# KiCad board kim-1.kicad_pcb (continued)
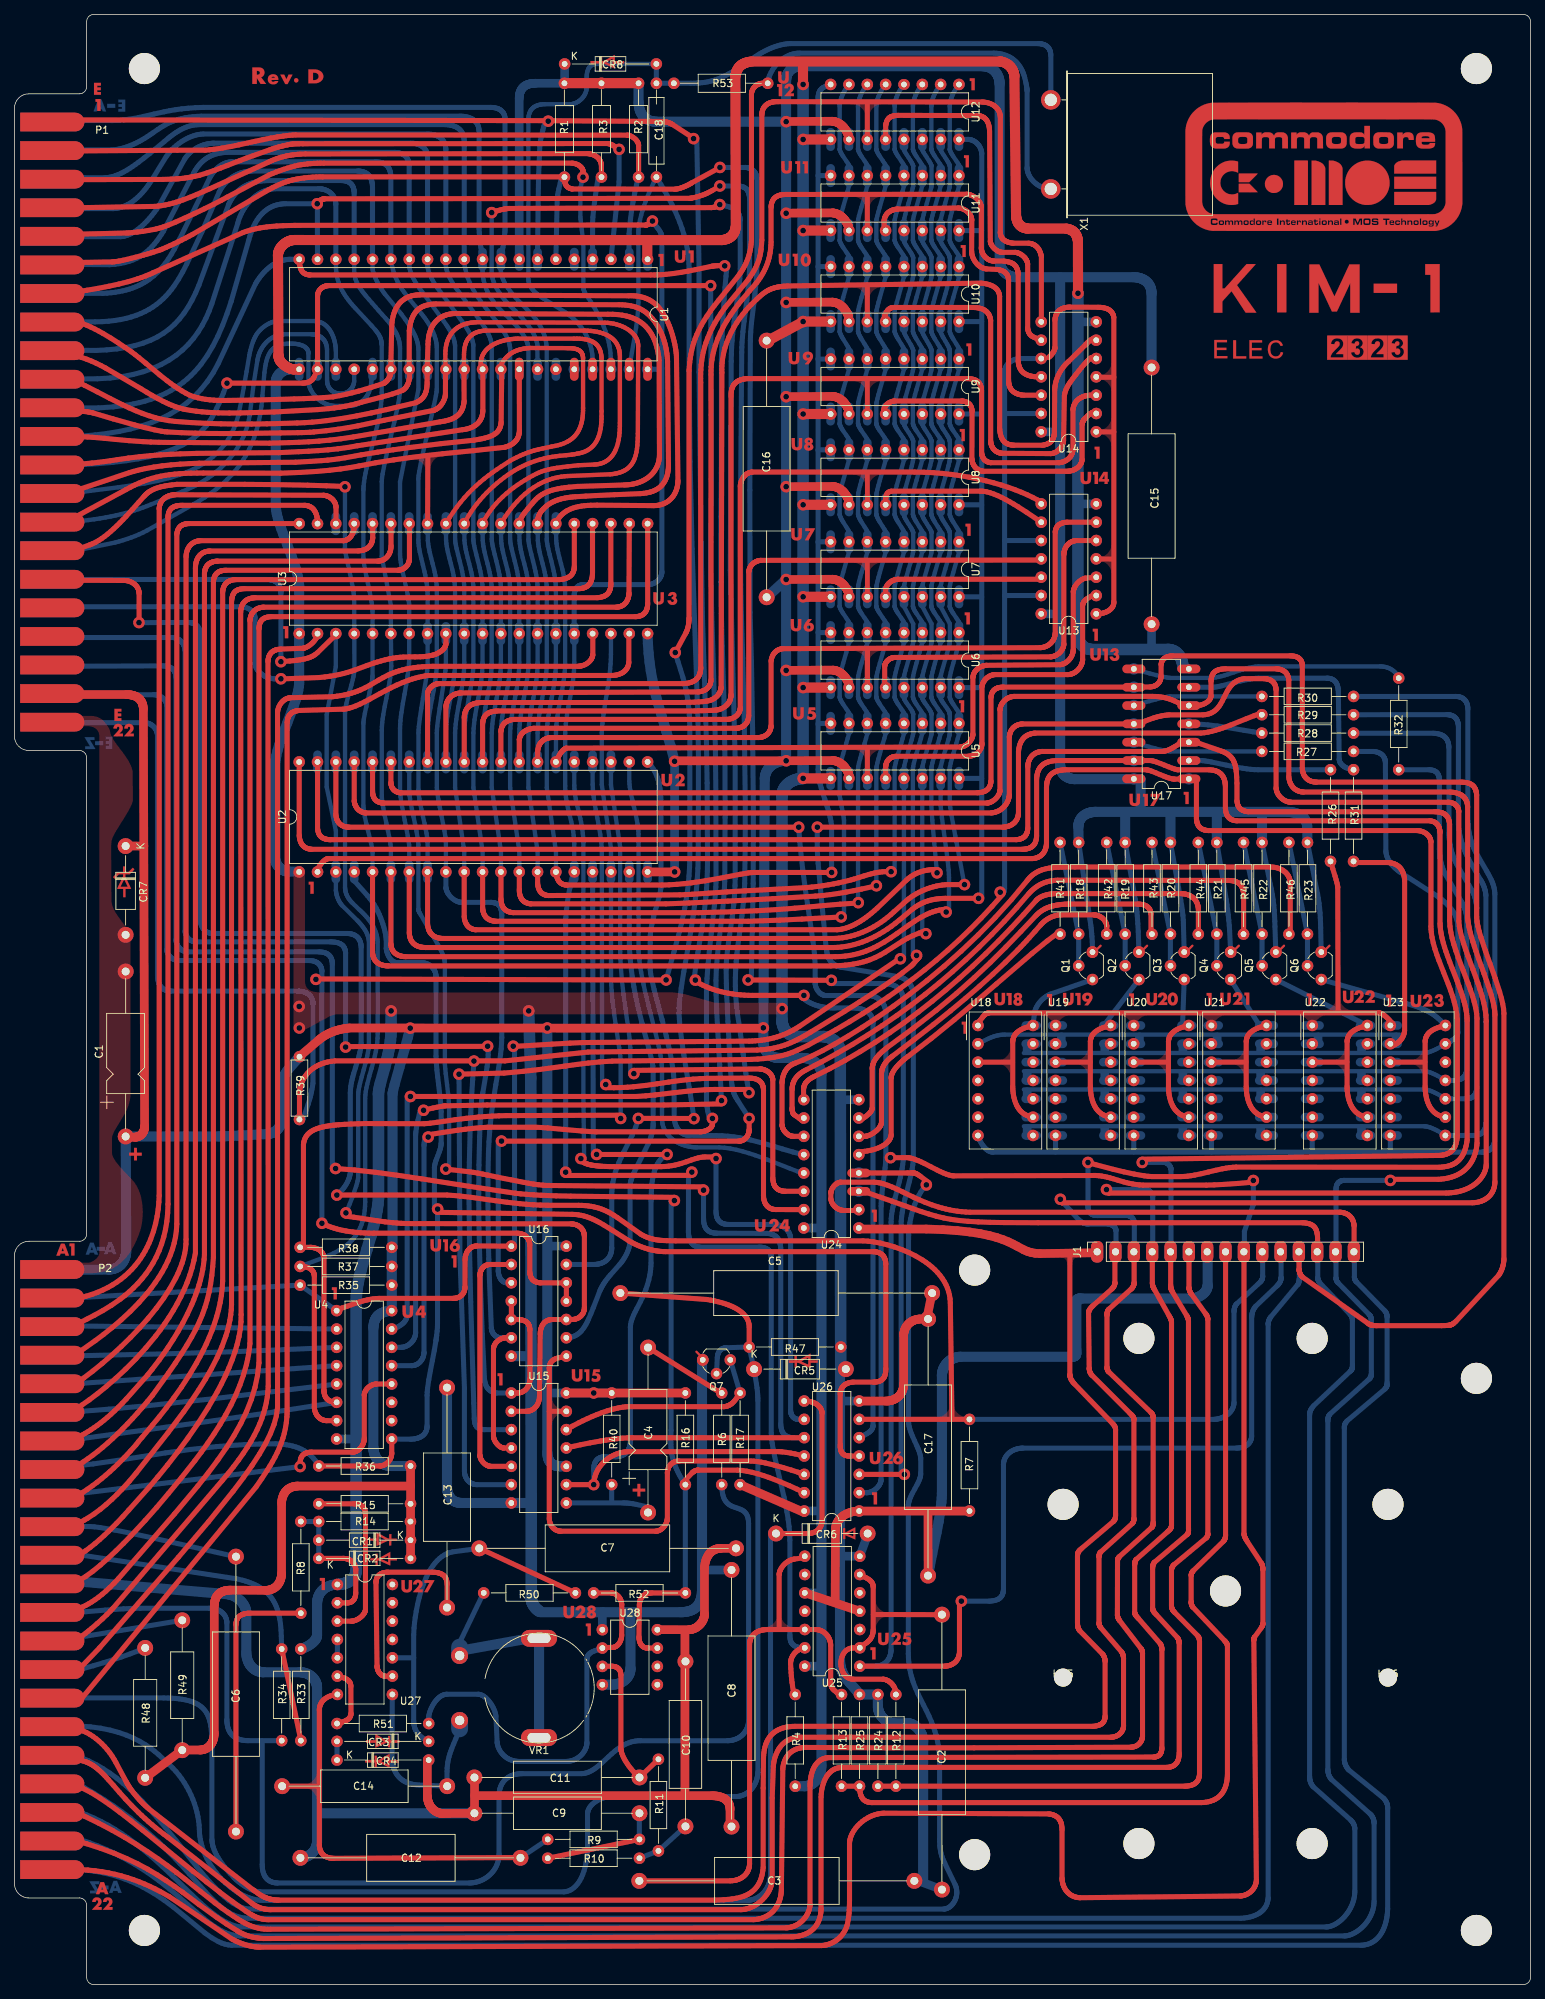
[diagram p0: board, top side]
## Routing (per net, layer and track width the routed paths; a pad name or vN(x,y) marks a point on that pad's centre or on a via; arc(x,y) is an arc through that point) (continued)
  Bottom w0.6: 64.84,169.47 64.84,173.44 64.86,174 64.9,174.57 64.96,175.16 65.04,175.75 65.24,176.95 65.46,178.16 65.69,179.39 65.89,180.6 65.97,181.2 66.03,181.8 66.08,182.38 66.1,182.96 66.1,193.46 66.08,193.94 66.03,194.4 65.98,194.84 65.9,195.27 65.82,195.69 65.72,196.1 65.52,196.9 65.31,197.68 65.12,198.47 65.04,198.87 64.97,199.28 64.91,199.69 64.86,200.11 64.83,202.41
/D4: length 279.3
  Top w0.6: 67.39,202.47 67.67,202.93 67.99,203.43 68.35,203.94 68.74,204.47 69.18,205 69.65,205.53 70.16,206.05 70.71,206.55 71.31,207.03 71.94,207.48 72.61,207.88 72.97,208.07 73.33,208.24 73.7,208.4 74.09,208.54 74.48,208.67 74.89,208.78 75.31,208.87 75.73,208.95 76.17,209 76.62,209.03 82.52,209.28 82.84,209.31 83.14,209.35 83.42,209.41 83.69,209.47 83.94,209.55 84.17,209.64 84.39,209.74 84.59,209.85 84.78,209.97 84.95,210.1 85.11,210.24 85.26,210.39 85.4,210.55 85.52,210.72 85.63,210.89 85.73,211.08 85.83,211.27 85.91,211.47 86.05,211.89 86.15,212.34 86.23,212.81 86.28,213.3 86.32,213.82 86.34,214.35 86.35,214.9 86.4,226.98 86.4,227.17 86.38,227.35 86.35,227.53 86.31,227.71 86.25,227.88 86.18,228.04 86.1,228.2 86.01,228.35 85.9,228.5 85.79,228.65 85.67,228.78 85.53,228.92 85.39,229.04 85.24,229.16 84.92,229.39 84.57,229.59 84.2,229.77 83.82,229.92 83.42,230.05 83.01,230.15 82.6,230.22 82.18,230.26 81.78,230.28 63.95,230.35 63.68,230.33 63.42,230.31 63.17,230.27 62.93,230.23 62.7,230.18 62.47,230.12 62.26,230.05 62.05,229.97 61.86,229.88 61.67,229.78 61.49,229.68 61.32,229.57 61.16,229.45 61,229.32 60.86,229.18 60.72,229.04 60.6,228.89 60.48,228.74 60.37,228.57 60.27,228.41 60.17,228.23 60.09,228.05 60.01,227.86 59.94,227.67 59.88,227.47 59.83,227.26 59.78,227.05 59.75,226.84 59.7,226.4 59.68,225.93 59.7,223.9
  Top w0.665: 118.14,205.06 118.14,209.55
  Top w0.7: 142.24,205.16 141.72,205.71 141.04,206.08 140.29,206.44 139.47,206.79 138.59,207.14 137.65,207.47 136.66,207.79 135.62,208.1 134.54,208.38 133.41,208.64 132.24,208.87 131.04,209.08 129.82,209.25 128.56,209.4 127.29,209.5 125.99,209.56 124.69,209.58 102.2,209.58 102.11,209.58 102.03,209.57 101.94,209.55 101.86,209.53 101.78,209.5 101.7,209.47 101.62,209.44 101.54,209.4 101.47,209.35 101.4,209.3 101.33,209.25 101.26,209.2 101.2,209.14 101.14,209.08 101.08,209.01 101.02,208.95 100.92,208.8 100.83,208.65 100.75,208.49 100.68,208.33 100.62,208.15 100.58,207.98 100.55,207.8 100.53,207.62 100.53,176.88 100.53,176.8 100.51,176.72 100.5,176.64 100.48,176.56 100.45,176.48 100.42,176.4 100.39,176.33 100.35,176.26 100.32,176.19 100.27,176.12 100.23,176.06 100.18,175.99 100.12,175.93 100.07,175.87 100.01,175.82 99.95,175.77 99.88,175.72 99.81,175.67 99.74,175.62 99.67,175.58 99.52,175.5 99.36,175.44 99.2,175.39 99.02,175.35 98.84,175.32 98.75,175.31 98.66,175.31 69.26,175.31 69.07,175.3 68.89,175.27 68.72,175.23 68.63,175.21 68.55,175.19 68.47,175.16 68.39,175.13 68.32,175.09 68.24,175.05 68.17,175.01 68.1,174.97 68.04,174.92 67.97,174.87 67.91,174.82 67.85,174.77 67.8,174.71 67.75,174.64 67.7,174.58 67.65,174.51 67.61,174.44 67.57,174.36 67.53,174.28 67.5,174.2 67.47,174.11 67.44,174.02 67.42,173.93 67.4,173.83 67.39,173.73 67.38,173.62 67.38,169.42 ; 7.7,218.16 8.13,218.12 8.56,218.08 9.39,218.01 9.8,217.97 10.2,217.91 10.4,217.88 10.59,217.84 10.79,217.8 10.98,217.75 13.63,216.96 16.63,216.12 18.07,215.75 19.35,215.44 20.41,215.24 20.83,215.17 21.16,215.15 23.12,215.04 25.07,214.97 27.03,214.94 28.99,214.93 32.93,214.95 36.91,215.01 39.24,215.04 39.81,215.05 40.38,215.07 40.93,215.1 41.46,215.14 43.21,215.31 44.81,215.52 46.27,215.75 47.57,215.99 51.17,216.76 58.1,218.15 58.2,218.18 58.29,218.22 58.38,218.27 58.46,218.32 58.54,218.37 58.62,218.43 58.7,218.48 58.78,218.55 58.85,218.61 58.92,218.68 58.98,218.75 59.05,218.82 59.11,218.9 59.17,218.98 59.27,219.13 59.37,219.3 59.45,219.46 59.52,219.62 59.58,219.79 59.63,219.95 59.66,220.11 59.69,220.26 59.7,220.4 59.71,223.89
  Bottom w0.6: 67.38,202.41 67.41,200.11 67.46,199.69 67.51,199.28 67.59,198.87 67.67,198.47 67.86,197.68 68.07,196.9 68.27,196.1 68.37,195.69 68.45,195.27 68.52,194.84 68.58,194.4 68.63,193.94 68.65,193.46 68.65,182.96 68.63,182.38 68.58,181.8 68.52,181.2 68.43,180.6 68.23,179.39 68,178.16 67.78,176.95 67.58,175.75 67.5,175.16 67.44,174.57 67.4,174 67.38,173.44 67.38,169.47
/D5: length 269.2
  Top w0.665: 118.14,192.3 118.14,197.16
  Top w0.7: 8.05,222.39 8.9,222 9.75,221.58 11.47,220.7 13.22,219.79 14.99,218.9 15.88,218.49 16.78,218.09 17.69,217.73 18.6,217.4 19.52,217.12 20.45,216.89 21.38,216.71 22.32,216.6 24.42,216.45 26.52,216.34 28.63,216.27 30.73,216.24 32.84,216.24 34.94,216.27 39.15,216.38 40.2,216.43 41.24,216.5 42.28,216.6 43.31,216.72 45.38,217.01 47.43,217.37 49.48,217.79 51.51,218.24 55.58,219.19 55.74,219.27 55.9,219.35 56.04,219.44 56.17,219.53 56.29,219.62 56.4,219.72 56.51,219.83 56.6,219.93 56.68,220.04 56.75,220.16 56.82,220.28 56.88,220.4 56.93,220.52 56.98,220.64 57.02,220.77 57.05,220.9 57.08,221.03 57.1,221.17 57.13,221.44 57.15,221.71 57.16,221.99 57.17,223.1 57.17,223.78 57.28,227.28 57.3,227.76 57.35,228.22 57.39,228.44 57.44,228.65 57.49,228.86 57.56,229.06 57.63,229.25 57.71,229.44 57.79,229.62 57.88,229.8 57.99,229.97 58.09,230.13 58.21,230.28 58.34,230.42 58.47,230.56 58.61,230.69 58.76,230.81 58.91,230.92 59.08,231.03 59.25,231.12 59.43,231.21 59.61,231.29 59.81,231.36 60.01,231.42 60.22,231.47 60.44,231.5 60.66,231.53 60.89,231.55 61.14,231.56 61.38,231.56 82.19,231.45 82.88,231.45 83.55,231.41 84.2,231.33 84.82,231.2 85.11,231.12 85.41,231.02 85.69,230.91 85.96,230.79 86.23,230.66 86.49,230.51 86.73,230.35 86.97,230.17 87.2,229.98 87.42,229.77 87.63,229.55 87.83,229.31 88.02,229.06 88.19,228.78 88.36,228.49 88.51,228.19 88.66,227.86 88.79,227.52 88.9,227.16 89.01,226.77 89.1,226.37 89.18,225.95 89.24,225.51 89.29,225.05 89.34,211.9 89.33,211.69 89.31,211.47 89.28,211.26 89.24,211.06 89.19,210.86 89.13,210.66 89.05,210.47 88.97,210.28 88.88,210.1 88.78,209.92 88.66,209.75 88.54,209.59 88.41,209.43 88.28,209.28 88.13,209.13 87.97,208.99 87.81,208.86 87.64,208.73 87.46,208.61 87.27,208.5 87.07,208.4 86.87,208.3 86.66,208.21 86.44,208.13 86.22,208.06 85.99,208 85.75,207.94 85.51,207.89 85.26,207.86 85.01,207.83 84.75,207.81 84.48,207.8 77.95,207.59 76.78,207.49 76.25,207.42 75.75,207.35 75.29,207.27 74.85,207.17 74.45,207.07 74.07,206.94 73.71,206.8 73.38,206.65 73.06,206.47 72.76,206.27 72.48,206.04 72.21,205.79 71.95,205.51 71.7,205.2 71.1,204.49 70.8,204.13 70.67,203.95 70.53,203.78 70.41,203.6 70.3,203.42 70.2,203.25 70.11,203.08 70.04,202.91 70.01,202.82 69.99,202.74 69.97,202.65 69.95,202.57 69.94,202.49 69.94,202.41 ; 142.25,197.39 103.43,197.35 103.34,197.35 103.26,197.34 103.18,197.33 103.1,197.31 103.02,197.29 102.94,197.27 102.87,197.24 102.79,197.21 102.72,197.18 102.64,197.14 102.57,197.1 102.5,197.06 102.44,197.01 102.37,196.96 102.31,196.91 102.25,196.86 102.19,196.8 102.14,196.74 102.09,196.68 102.04,196.62 101.99,196.55 101.95,196.48 101.91,196.41 101.87,196.34 101.84,196.27 101.81,196.2 101.78,196.12 101.76,196.04 101.74,195.97 101.73,195.89 101.72,195.81 101.71,195.73 101.71,175.83 101.7,175.67 101.67,175.5 101.63,175.34 101.59,175.19 101.56,175.11 101.53,175.04 101.49,174.97 101.45,174.9 101.41,174.83 101.37,174.77 101.32,174.7 101.27,174.64 101.22,174.58 101.16,174.53 101.1,174.48 101.03,174.43 100.97,174.38 100.89,174.33 100.82,174.29 100.74,174.26 100.66,174.22 100.57,174.19 100.48,174.16 100.38,174.14 100.28,174.12 100.18,174.1 100.07,174.09 99.96,174.08 72.01,174.08 71.91,174.08 71.81,174.07 71.71,174.05 71.61,174.04 71.52,174.02 71.42,174 71.33,173.97 71.24,173.94 71.15,173.91 71.06,173.88 70.98,173.84 70.9,173.8 70.82,173.76 70.74,173.71 70.67,173.67 70.6,173.61 70.53,173.56 70.46,173.51 70.4,173.45 70.34,173.39 70.29,173.33 70.23,173.26 70.18,173.19 70.14,173.12 70.1,173.05 70.06,172.98 70.03,172.9 70,172.82 69.97,172.74 69.95,172.66 69.93,172.57 69.92,172.49 69.92,169.42
  Bottom w0.6: 69.92,202.41 69.95,200.11 70,199.69 70.06,199.28 70.13,198.87 70.21,198.47 70.4,197.68 70.61,196.9 70.81,196.1 70.91,195.69 70.99,195.27 71.07,194.84 71.12,194.4 71.17,193.94 71.19,193.46 71.19,182.96 71.17,182.38 71.12,181.8 71.06,181.2 70.98,180.6 70.77,179.39 70.55,178.16 70.32,176.95 70.12,175.75 70.04,175.16 69.98,174.57 69.94,174 69.92,173.44 69.92,169.47
/D6: length 281.9
  Top w0.7: 149.79,202.64 145.86,202.64 145.71,202.63 145.57,202.62 145.43,202.6 145.28,202.57 145.14,202.53 145.08,202.5 145.01,202.48 144.94,202.45 144.88,202.42 144.82,202.38 144.75,202.34 144.7,202.3 144.64,202.26 144.59,202.21 144.53,202.16 144.48,202.11 144.44,202.05 144.39,201.99 144.35,201.93 144.32,201.86 144.28,201.79 144.25,201.71 144.23,201.63 144.2,201.54 144.18,201.46 144.17,201.36 144.16,201.26 144.16,187.3 144.16,187.2 144.15,187.1 144.13,187 144.11,186.91 144.09,186.81 144.06,186.72 144.03,186.63 144,186.54 143.96,186.45 143.91,186.36 143.87,186.28 143.81,186.2 143.76,186.12 143.7,186.04 143.64,185.97 143.57,185.9 143.5,185.83 143.43,185.76 143.35,185.7 143.27,185.64 143.18,185.59 143.1,185.54 143.01,185.49 142.92,185.45 142.82,185.41 142.72,185.37 142.62,185.34 142.52,185.31 142.41,185.29 142.3,185.27 142.19,185.26 142.08,185.25 106.49,185.12 106.4,185.11 106.31,185.1 106.23,185.09 106.14,185.07 106.06,185.04 105.98,185.02 105.9,184.99 105.83,184.96 105.75,184.92 105.68,184.88 105.62,184.84 105.55,184.79 105.49,184.74 105.43,184.69 105.37,184.64 105.32,184.58 105.26,184.52 105.21,184.46 105.17,184.39 105.12,184.33 105.08,184.26 105.04,184.19 104.97,184.04 104.91,183.88 104.86,183.72 104.83,183.56 104.8,183.38 104.8,174.42 104.8,174.33 104.79,174.24 104.77,174.16 104.75,174.08 104.73,173.99 104.71,173.92 104.68,173.84 104.64,173.76 104.61,173.69 104.57,173.62 104.52,173.56 104.48,173.49 104.43,173.43 104.38,173.37 104.32,173.31 104.26,173.26 104.2,173.21 104.14,173.16 104.08,173.11 104.01,173.07 103.94,173.03 103.87,172.99 103.79,172.96 103.72,172.93 103.64,172.9 103.56,172.87 103.48,172.85 103.39,172.84 103.31,172.82 103.22,172.81 103.14,172.8 103.05,172.8 74.36,172.8 74.25,172.79 74.14,172.78 74.03,172.76 73.93,172.74 73.83,172.71 73.74,172.68 73.65,172.65 73.56,172.61 73.48,172.57 73.4,172.53 73.32,172.48 73.24,172.43 73.17,172.37 73.11,172.32 73.04,172.25 72.98,172.19 72.92,172.12 72.87,172.05 72.82,171.98 72.77,171.9 72.73,171.82 72.69,171.74 72.65,171.65 72.62,171.57 72.56,171.39 72.51,171.2 72.48,171 72.46,170.8 72.46,169.42 ; 72.45,202.43 72.45,202.52 72.45,202.62 72.45,202.71 72.46,202.8 72.47,202.89 72.48,202.97 72.5,203.06 72.51,203.14 72.53,203.22 72.55,203.29 72.58,203.37 72.6,203.44 72.63,203.51 72.65,203.58 72.71,203.72 72.78,203.85 72.85,203.97 72.93,204.08 73.01,204.19 73.09,204.29 73.18,204.39 73.27,204.48 73.36,204.57 73.53,204.74 73.71,204.9 73.91,205.05 74.12,205.19 74.34,205.32 74.58,205.45 74.83,205.56 75.09,205.67 75.37,205.76 75.66,205.85 75.97,205.92 76.28,205.99 76.61,206.05 76.96,206.1 77.31,206.14 77.68,206.16 79.13,206.25 80.53,206.33 83.1,206.45 86.68,206.6 87.12,206.63 87.55,206.69 87.94,206.78 88.13,206.83 88.32,206.89 88.5,206.96 88.67,207.03 88.83,207.11 88.99,207.2 89.14,207.3 89.29,207.4 89.42,207.51 89.55,207.63 89.68,207.76 89.79,207.89 89.9,208.03 90,208.18 90.09,208.34 90.18,208.51 90.26,208.68 90.33,208.87 90.39,209.06 90.44,209.26 90.49,209.47 90.53,209.69 90.56,209.92 90.58,210.15 90.59,210.4 90.59,210.66 90.47,224.9 90.45,225.28 90.41,225.64 90.37,226.01 90.32,226.36 90.26,226.71 90.18,227.05 90.1,227.39 90.01,227.72 89.9,228.05 89.79,228.37 89.66,228.68 89.52,228.99 89.37,229.3 89.21,229.6 89.04,229.89 88.86,230.18 88.62,230.52 88.37,230.84 88.11,231.12 87.85,231.38 87.58,231.61 87.31,231.82 87.02,232.01 86.72,232.17 86.4,232.32 86.07,232.44 85.73,232.54 85.37,232.62 85,232.68 84.6,232.73 84.19,232.76 83.75,232.77 58.37,232.88 58.03,232.86 57.7,232.83 57.37,232.78 57.06,232.7 56.76,232.61 56.62,232.55 56.48,232.48 56.34,232.41 56.21,232.33 56.08,232.24 55.95,232.14 55.83,232.04 55.72,231.92 55.6,231.8 55.5,231.66 55.4,231.52 55.3,231.36 55.21,231.2 55.13,231.02 55.05,230.84 54.98,230.64 54.91,230.42 54.86,230.2 54.8,229.96 54.76,229.71 54.72,229.45 54.69,229.17 54.68,223.77 54.7,223.58 54.71,223.38 54.72,223.18 54.72,222.98 54.71,222.77 54.69,222.57 54.66,222.37 54.62,222.18 54.57,221.99 54.54,221.9 54.5,221.8 54.46,221.71 54.42,221.63 54.37,221.54 54.32,221.46 54.26,221.38 54.2,221.3 54.13,221.22 54.06,221.15 53.98,221.08 53.9,221.01 53.82,220.95 53.72,220.89 53.03,220.63 52.33,220.4 51.62,220.19 50.9,219.99 48.02,219.24 47.28,219.04 46.54,218.86 45.8,218.7 45.05,218.57 44.3,218.47 43.54,218.38 42.03,218.24 35.96,217.91 32.85,217.82 31.31,217.78 29.77,217.77 28.25,217.79 26.73,217.87 25.97,217.93 25.21,218.02 24.45,218.12 23.69,218.25 23.33,218.33 22.97,218.43 22.59,218.55 22.21,218.68 21.82,218.83 21.43,219 21.03,219.18 20.63,219.37 19.84,219.78 19.05,220.21 18.27,220.67 17.52,221.14 12.61,224.01 11.97,224.35 11.31,224.67 10.65,224.97 9.99,225.23 9.32,225.46 8.64,225.65 7.97,225.78 7.29,225.87
  Top w0.721: 118.15,179.71 118.15,185
  Bottom w0.6: 72.46,202.41 72.49,200.11 72.54,199.69 72.6,199.28 72.67,198.87 72.75,198.47 72.95,197.68 73.15,196.9 73.35,196.1 73.45,195.69 73.53,195.27 73.61,194.84 73.67,194.4 73.71,193.94 73.73,193.46 73.73,182.96 73.71,182.38 73.66,181.8 73.6,181.2 73.52,180.6 73.31,179.39 73.09,178.16 72.86,176.95 72.66,175.75 72.58,175.16 72.52,174.57 72.48,174 72.46,173.44 72.46,169.47
/D7: length 272.6
  Top w0.7: 149.88,195.04 148.36,194.88 148.3,194.87 148.23,194.85 148.16,194.83 148.09,194.81 147.95,194.74 147.8,194.66 147.66,194.56 147.52,194.46 147.38,194.34 147.25,194.21 147.13,194.07 147.02,193.92 146.92,193.77 146.88,193.69 146.84,193.61 146.8,193.53 146.76,193.45 146.73,193.36 146.71,193.28 146.69,193.2 146.67,193.12 146.66,193.03 146.66,192.95 146.66,184.98 146.65,184.88 146.64,184.78 146.63,184.69 146.61,184.59 146.59,184.49 146.56,184.4 146.53,184.31 146.49,184.22 146.45,184.13 146.41,184.04 146.36,183.95 146.31,183.87 146.25,183.79 146.2,183.71 146.13,183.64 146.07,183.56 146.01,183.49 145.94,183.43 145.87,183.36 145.79,183.3 145.72,183.25 145.64,183.19 145.56,183.14 145.48,183.1 145.4,183.06 145.32,183.02 145.23,182.99 145.15,182.96 145.06,182.93 144.97,182.92 144.88,182.9 144.8,182.89 134.66,182.81 134.56,182.8 134.47,182.79 134.38,182.77 134.29,182.76 134.2,182.73 134.11,182.71 134.03,182.68 133.94,182.65 133.86,182.61 133.78,182.57 133.7,182.53 133.62,182.48 133.55,182.44 133.48,182.39 133.41,182.33 133.34,182.28 133.28,182.22 133.22,182.16 133.16,182.09 133.11,182.03 133.06,181.96 133.01,181.89 132.97,181.82 132.93,181.74 132.89,181.67 132.86,181.59 132.83,181.51 132.81,181.43 132.79,181.35 132.78,181.26 132.76,181.18 132.76,181.09 132.76,173.28 132.76,173.21 132.75,173.13 132.74,173.06 132.72,172.98 132.7,172.91 132.68,172.83 132.65,172.75 132.61,172.67 132.58,172.6 132.53,172.52 132.44,172.38 132.34,172.23 132.22,172.1 132.15,172.03 132.09,171.97 132.02,171.91 131.95,171.86 131.88,171.8 131.8,171.75 131.72,171.71 131.64,171.67 131.56,171.63 131.48,171.59 131.4,171.56 131.31,171.54 131.22,171.52 131.14,171.5 131.05,171.49 130.96,171.48 76.51,171.33 76.44,171.32 76.37,171.3 76.3,171.27 76.23,171.24 76.16,171.19 76.09,171.14 76.02,171.08 75.96,171.02 75.89,170.95 75.83,170.87 75.7,170.71 75.59,170.54 75.48,170.36 75.37,170.19 75.28,170.02 75.14,169.72 75.01,169.42 ; 7.96,230.59 8.47,230.47 8.99,230.32 9.52,230.13 10.06,229.91 10.61,229.67 11.16,229.4 11.71,229.11 12.26,228.8 13.33,228.16 14.37,227.49 15.34,226.84 16.22,226.23 16.72,225.85 17.22,225.46 18.19,224.66 20.13,223.04 21.12,222.26 21.63,221.88 22.14,221.51 22.66,221.16 23.19,220.83 23.74,220.51 24.3,220.22 24.84,220.03 25.39,219.88 25.94,219.76 26.5,219.66 27.07,219.6 27.63,219.55 28.2,219.52 28.77,219.5 33.33,219.56 38.75,219.72 40.1,219.76 41.45,219.82 42.8,219.9 44.15,220.01 45.03,220.17 45.91,220.36 46.79,220.57 47.66,220.8 48.53,221.04 49.39,221.31 50.25,221.58 51.1,221.86 51.15,221.88 51.21,221.91 51.26,221.94 51.32,221.98 51.37,222.01 51.42,222.06 51.48,222.1 51.53,222.15 51.57,222.2 51.62,222.26 51.67,222.31 51.71,222.37 51.76,222.43 51.8,222.5 51.84,222.56 51.87,222.63 51.91,222.7 51.94,222.76 51.97,222.84 52,222.91 52.03,222.98 52.05,223.05 52.07,223.12 52.09,223.2 52.1,223.27 52.12,223.34 52.13,223.42 52.13,223.49 52.13,223.56 52.13,223.63 52.13,223.7 52.12,223.77 52.26,229.83 52.3,230.3 52.36,230.75 52.45,231.18 52.57,231.58 52.63,231.78 52.71,231.96 52.8,232.15 52.89,232.32 52.98,232.49 53.09,232.65 53.2,232.8 53.32,232.95 53.45,233.09 53.58,233.22 53.72,233.35 53.87,233.46 54.02,233.57 54.18,233.67 54.35,233.76 54.53,233.84 54.71,233.91 54.9,233.97 55.1,234.02 55.3,234.07 55.51,234.1 55.73,234.12 55.96,234.14 56.19,234.14 85.08,234.01 85.43,234.02 85.77,234.01 86.11,233.98 86.43,233.94 86.75,233.88 87.06,233.8 87.36,233.7 87.65,233.58 87.93,233.44 88.21,233.29 88.47,233.11 88.72,232.91 88.96,232.69 89.19,232.44 89.41,232.18 89.62,231.89 89.86,231.54 90.09,231.16 90.3,230.75 90.5,230.34 90.68,229.9 90.85,229.46 91.01,229.02 91.15,228.57 91.27,228.13 91.38,227.69 91.47,227.26 91.55,226.85 91.61,226.46 91.66,226.09 91.69,225.75 91.7,225.44 91.9,208.4 91.9,208.21 91.88,208.02 91.86,207.83 91.83,207.65 91.79,207.48 91.75,207.31 91.69,207.14 91.63,206.98 91.57,206.82 91.49,206.66 91.41,206.52 91.33,206.37 91.23,206.24 91.13,206.1 91.02,205.98 90.91,205.86 90.79,205.75 90.66,205.64 90.53,205.54 90.39,205.45 90.25,205.36 90.09,205.28 89.94,205.21 89.78,205.15 89.61,205.09 89.43,205.04 89.25,205 89.07,204.97 88.88,204.95 88.68,204.94 88.48,204.93 88.27,204.94 80.72,205 79.83,204.98 79.39,204.96 78.95,204.92 78.53,204.87 78.11,204.8 77.71,204.7 77.33,204.58 76.96,204.44 76.6,204.26 76.44,204.16 76.27,204.06 76.11,203.94 75.96,203.81 75.82,203.68 75.68,203.54 75.54,203.38 75.42,203.22 75.3,203.04 75.19,202.86 75.08,202.66 74.98,202.45 ; 118.14,167.14 118.14,171.32
  Bottom w0.6: 75.01,169.47 75.01,173.44 75.03,174 75.07,174.57 75.13,175.16 75.21,175.75 75.41,176.95 75.63,178.16 75.86,179.39 76.06,180.6 76.15,181.2 76.21,181.8 76.26,182.38 76.28,182.96 76.28,193.46 76.26,193.94 76.21,194.4 76.15,194.84 76.08,195.27 75.99,195.69 75.9,196.1 75.7,196.9 75.49,197.68 75.3,198.47 75.22,198.87 75.14,199.28 75.08,199.69 75.04,200.11 75.01,202.41
/DECEN: length 54.5
  Top w0.7: 52.26,83.22 50.17,83.22 50.09,83.21 50.01,83.21 49.93,83.19 49.85,83.18 49.78,83.16 49.7,83.14 49.62,83.11 49.55,83.08 49.47,83.04 49.4,83.01 49.33,82.97 49.26,82.93 49.19,82.88 49.13,82.83 49.06,82.78 49,82.73 48.94,82.67 48.89,82.62 48.83,82.56 48.78,82.5 48.74,82.44 48.69,82.37 48.65,82.31 48.61,82.24 48.58,82.17 48.55,82.1 48.52,82.03 48.5,81.96 48.48,81.89 48.47,81.82 48.46,81.75 48.46,81.68 48.46,75.66 48.45,75.58 48.45,75.5 48.44,75.42 48.42,75.33 48.4,75.25 48.38,75.17 48.35,75.08 48.32,75 48.29,74.92 48.26,74.84 48.22,74.76 48.17,74.68 48.13,74.61 48.08,74.53 48.03,74.46 47.97,74.39 47.92,74.33 47.86,74.26 47.79,74.2 47.73,74.15 47.66,74.09 47.59,74.04 47.52,73.99 47.45,73.95 47.38,73.91 47.3,73.88 47.22,73.85 47.14,73.83 47.06,73.81 46.97,73.79 46.89,73.78 46.8,73.78 41.19,73.78 41.01,73.77 40.84,73.76 40.68,73.73 40.6,73.71 40.52,73.69 40.45,73.67 40.38,73.65 40.32,73.62 40.25,73.59 40.19,73.56 40.13,73.52 40.08,73.48 40.02,73.44 39.97,73.4 39.92,73.35 39.88,73.3 39.84,73.25 39.8,73.19 39.76,73.13 39.73,73.07 39.7,73 39.67,72.93 39.65,72.86 39.63,72.78 39.61,72.7 39.6,72.62 39.59,72.53 39.58,72.44 39.58,72.34 39.58,71.78
  Bottom w0.7: 7.3,67.84 39.58,71.78
  vias: v1(39.57,71.78)
/E: length 162.6
  Bottom w0.7: U23.7 190.58,115.37 ; 133.42,117.65 133.46,117.55 133.56,117.29 133.64,117.12 133.74,116.93 133.85,116.72 133.98,116.51 134.12,116.29 134.2,116.19 134.28,116.09 134.37,115.99 134.46,115.89 134.55,115.8 134.65,115.72 134.75,115.64 134.85,115.57 134.96,115.51 135.07,115.45 135.19,115.41 135.31,115.38 135.44,115.35 135.56,115.35 203.24,115.35 203.36,115.35 203.46,115.37 203.57,115.38 203.67,115.4 203.77,115.43 203.86,115.45 203.95,115.48 204.04,115.51 204.12,115.55 204.2,115.59 204.27,115.63 204.34,115.68 204.41,115.73 204.48,115.78 204.54,115.84 204.59,115.89 204.65,115.96 204.7,116.02 204.74,116.09 204.79,116.16 204.83,116.23 204.86,116.3 204.9,116.38 204.93,116.46 204.95,116.55 204.98,116.63 205.01,116.81 205.04,117 205.05,117.19 205.06,151.1 205.04,151.33 205.02,151.55 204.99,151.77 204.94,151.98 204.89,152.19 204.83,152.39 204.76,152.59 204.68,152.79 204.6,152.99 204.51,153.18 204.32,153.56 204.12,153.93 203.91,154.31 202.42,156.89 202.3,157.14 202.18,157.39 202.07,157.64 201.96,157.89 201.87,158.15 201.78,158.41 201.7,158.68 201.63,158.94 201.57,159.21 201.51,159.47 201.46,159.74 201.42,160.01 201.39,160.28 201.36,160.55 201.33,160.82 201.32,161.09 201.32,176.73 201.31,176.93 201.3,177.03 201.29,177.12 201.27,177.21 201.25,177.3 201.23,177.38 201.2,177.47 201.17,177.54 201.14,177.62 201.1,177.69 201.07,177.76 201.02,177.83 200.98,177.9 200.93,177.96 200.88,178.02 200.83,178.07 200.77,178.12 200.71,178.17 200.64,178.22 200.58,178.26 200.51,178.3 200.44,178.33 200.36,178.37 200.28,178.39 200.2,178.42 200.12,178.44 200.03,178.46 199.94,178.47 199.85,178.48 199.75,178.49 199.65,178.49 185.47,178.49 ; 165.8,117.66 165.8,115.37 ; 179.77,117.66 179.77,115.37 ; 144.2,117.66 144.2,115.37 ; 155.03,117.66 155.03,115.37
/F: length 95.8
  Top w0.7: 190.7,130.05 190.81,130.08 190.92,130.12 191.03,130.17 191.13,130.21 191.23,130.26 191.33,130.32 191.42,130.37 191.51,130.43 191.59,130.49 191.67,130.55 191.75,130.62 191.82,130.68 191.89,130.75 191.96,130.82 192.02,130.89 192.08,130.96 192.18,131.11 192.28,131.27 192.35,131.42 192.42,131.58 192.47,131.74 192.51,131.91 192.54,132.07 192.56,132.22 192.56,152.99 192.53,153.24 192.5,153.47 192.45,153.7 192.38,153.93 192.35,154.03 192.3,154.14 192.26,154.24 192.21,154.34 192.16,154.43 192.1,154.52 192.03,154.61 191.97,154.7 191.9,154.78 191.82,154.86 191.74,154.93 191.65,155 191.56,155.07 191.47,155.13 191.37,155.19 191.26,155.24 191.15,155.29 191.03,155.33 190.91,155.37 190.79,155.4 190.65,155.43 190.52,155.45 190.37,155.47 190.22,155.48 185.46,155.48
  Bottom w0.6: 191.82,131.63 137.15,131.63 ; 133.44,130.34 133.86,130.55 134.28,130.77 134.71,130.99 134.93,131.09 135.15,131.19 135.37,131.28 135.6,131.36 135.84,131.44 136.08,131.5 136.33,131.55 136.59,131.6 136.86,131.62 137.14,131.63
  Bottom w1.2: 145,131.32 145.01,130.37 ; 166.59,131.32 166.59,130.37 ; 180.57,131.32 180.57,130.37 ; 191.37,131.32 191.37,130.37 ; 155.82,131.32 155.82,130.37
